# KiCad board MPU_MOD.kicad_pcb (continued)
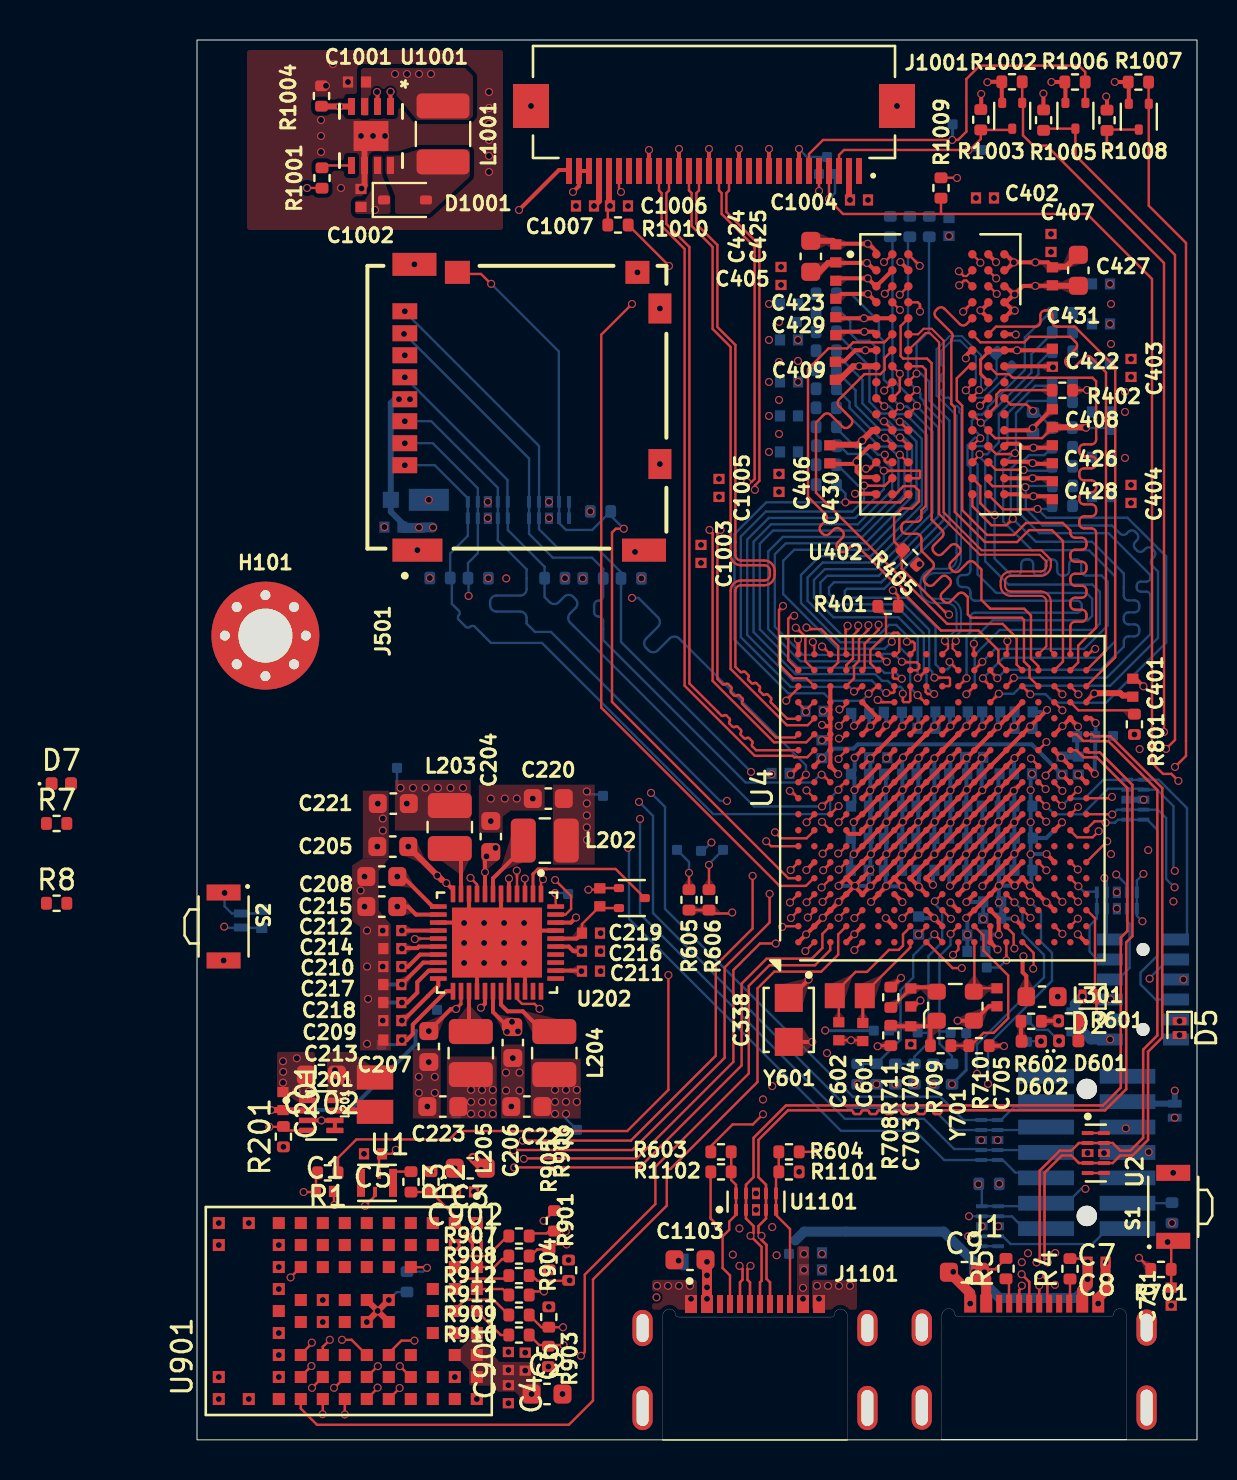
[diagram p0: board, top side]
## Routing (per net, layer and track width the routed paths; a pad name or vN(x,y) marks a point on that pad's centre or on a via; arc(x,y) is an arc through that point) (continued)
  1L.Cu w0.118: 34.77,48.14 U402.R2 34.76,48.09 34.39,47.72 33.56,47.72 33.55,47.73 v1(33.35,47.73) ; U4.E17 33.21,37.69 32.95,37.43 v1(32.85,37.43)
  8L.Cu w0.118: R413.1 32.01,48.77 33.05,47.73 v1(33.35,47.73) 33.35,47.01 32.77,46.43 28.44,46.43 27.19,45.18 27.19,40.15 29.68,37.66 32.62,37.66 v1(32.85,37.43)
/DDR/DDR_A8: length 24.1
  1L.Cu w0.118: v1(42.03,46.56) 42.01,46.54 40.3,46.54 39.57,47.27 U402.T8 ; v1(41.67,37.29) U4.R17
  8L.Cu w0.118: v1(41.67,37.29) 42.43,37.29 42.85,36.87 45.45,36.87 48.46,39.88 48.46,44.18 46.52,46.12 42.47,46.12 v1(42.03,46.56) 42.6,46.56 R414.1
/DDR/DDR_A9: length 28
  1L.Cu w0.118: v1(34.34,48.47) 36.13,48.47 36.15,48.45 36.15,48.14 36.1,48.09 U402.R3 ; v1(34.46,37.36) 34.81,37.36 34.87,37.42 U4.G17
  8L.Cu w0.118: R415.1 32.13,49.72 32.54,49.31 33.5,49.31 v1(34.34,48.47) 34.34,47.54 32.91,46.11 28.59,46.11 27.51,45.03 27.51,40.26 29.79,37.98 33.74,37.98 34.36,37.36 v1(34.46,37.36)
/DDR/DDR_A10: length 29.3
  1L.Cu w0.118: v1(38.84,39.82) 38.84,39.32 U4.M19 ; v1(39.19,50.87) U402.L7
  8L.Cu w0.118: R416.1 42.76,55.34 41.72,54.3 41.72,53.38 39.56,51.22 39.56,51.11 39.32,50.87 v1(39.19,50.87) 39.53,50.53 39.53,49.86 39.36,49.69 38.94,49.69 38.77,49.52 38.77,49.04 39.03,48.78 39.03,43.29 39.96,42.36 44.47,42.36 44.76,42.07 44.76,41.21 44.54,40.99 39.78,40.99 38.84,40.05 v1(38.84,39.82)
/DDR/DDR_A11: length 32.3
  1L.Cu w0.118: v1(39.89,46.25) 39.76,46.25 39.17,46.84 39.17,47.7 38.78,48.09 U402.R7 ; v1(39.27,38.92) 38.87,38.52 U4.M18
  8L.Cu w0.118: R417.1 42.6,52.72 41.91,52.72 40.52,51.33 40.52,49.83 39.9,49.21 39.9,46.26 v1(39.89,46.25) 39.88,46.24 39.88,44.08 40.73,43.23 40.97,43.23 arc(41.14,43.3) 41.21,43.47 41.21,43.79 arc(41.28,43.96) 41.45,44.03 41.57,44.03 arc(41.74,43.96) 41.81,43.79 41.81,43.47 arc(41.88,43.3) 42.05,43.23 42.17,43.23 arc(42.34,43.3) 42.41,43.47 42.41,43.79 arc(42.48,43.96) 42.65,44.03 42.77,44.03 arc(42.94,43.96) 43.01,43.79 43.01,43.47 arc(43.08,43.3) 43.25,43.23 43.37,43.23 arc(43.54,43.3) 43.61,43.47 43.61,43.79 arc(43.68,43.96) 43.85,44.03 43.97,44.03 arc(44.14,43.96) 44.21,43.79 44.21,43.47 arc(44.28,43.3) 44.45,43.23 45.23,43.23 45.54,42.92 45.54,40.74 44.36,39.56 39.91,39.56 v1(39.27,38.92)
/DDR/DDR_A12: length 33.6
  1L.Cu w0.118: U4.L17 38.08,37.69 v1(38.48,38.09) ; U402.N7 38.77,49.72 39.14,50.09 v1(39.17,50.09)
  8L.Cu w0.118: R418.1 42.6,56.34 41.39,55.13 41.39,53.51 39.54,51.66 39.54,51.56 39.26,51.28 39.05,51.28 38.74,50.97 38.74,50.64 39.17,50.21 v1(39.17,50.09) ; 39.14,50.12 38.9,50.12 38.53,49.75 38.53,48.77 38.67,48.63 38.67,43.49 arc(38.6,43.32) 38.43,43.25 38.27,43.25 arc(38.1,43.18) 38.03,43.01 38.03,42.89 arc(38.1,42.72) 38.27,42.65 38.43,42.65 arc(38.6,42.58) 38.67,42.41 38.67,42.21 arc(38.74,42.04) 38.91,41.97 44,41.97 arc(44.17,41.9) 44.24,41.73 44.24,41.61 arc(44.17,41.44) 44,41.37 38.91,41.37 arc(38.74,41.3) 38.67,41.13 38.67,40.4 38.48,40.21 v1(38.48,38.09)
/DDR/DDR_A13: length 24.6
  1L.Cu w0.118: v1(32.42,46.89) 35.17,46.89 35.57,47.29 U402.T3 ; v1(33.58,37.32) 33.61,37.32 33.98,37.69 U4.F17
  8L.Cu w0.118: v1(33.58,37.32) 33.58,37.3 33.25,36.96 31.72,36.96 31.34,37.34 29.56,37.34 26.87,40.03 26.87,45.3 28.46,46.89 v1(32.42,46.89) 32.42,47.33 31.98,47.77 R419.1
/DDR/DDR_A14: length 28.3
  1L.Cu w0.118: v1(40.02,38.09) 39.67,38.44 U4.N18 ; v1(40.79,46.07) 40.47,45.74 39.72,45.74 38.77,46.7 U402.T7
  8L.Cu w0.118: v1(40.02,38.09) 40.44,38.52 45.19,38.52 46.34,39.67 46.34,39.95 arc(46.41,40.12) 46.58,40.19 46.87,40.19 arc(47.04,40.26) 47.11,40.43 47.11,40.55 arc(47.04,40.72) 46.87,40.79 46.58,40.79 arc(46.41,40.86) 46.34,41.03 46.34,41.15 arc(46.41,41.32) 46.58,41.39 46.87,41.39 arc(47.04,41.46) 47.11,41.63 47.11,41.75 arc(47.04,41.92) 46.87,41.99 46.58,41.99 arc(46.41,42.06) 46.34,42.23 46.34,43.33 44.75,44.92 41.94,44.92 v1(40.79,46.07) 40.69,46.17 40.69,48.57 41.08,48.96 41.31,48.96 41.6,49.25 42.36,49.25 R420.1
/DDR/DDR_BA0: length 28.3
  1L.Cu w0.118: v1(34.35,50.94) 34.77,50.52 U402.M2 ; v1(34.74,39.92) 34.74,40.29 34.82,40.37 35.04,40.37 35.11,40.3 35.11,39.43 34.97,39.29 U4.G19
  8L.Cu w0.118: 31.97,54.31 33.27,53.01 33.27,51.84 34.17,50.94 v1(34.35,50.94) 34.58,50.94 35,50.52 35.38,50.52 35.97,49.93 35.97,46.94 33.55,44.52 29.86,44.52 29.31,43.97 29.31,42.3 32.04,39.57 34.39,39.57 v1(34.74,39.92)
/DDR/DDR_BA1: length 27.2
  1L.Cu w0.118: v1(40.9,49.35) 40.85,49.3 39.96,49.3 U402.N8 ; U4.N17 39.29,38.07 v1(39.29,38.09)
  8L.Cu w0.118: v1(39.29,38.09) 40.32,39.12 45.09,39.12 45.9,39.93 45.9,43.19 44.59,44.49 41.75,44.49 40.31,45.93 40.31,48.8 40.86,49.35 v1(40.9,49.35) 40.95,49.4 40.95,51.36 41.55,51.96 42.72,51.96 R422.1
/DDR/DDR_BA2: length 30.2
  1L.Cu w0.118: v1(36.03,37.25) 36.39,36.89 U4.J16 ; U402.M3 v1(35.14,50.92)
  8L.Cu w0.118: R423.1 31.97,55.35 33.62,53.7 33.62,51.92 34.21,51.33 34.58,51.33 34.99,50.92 v1(35.14,50.92) 35.39,50.92 36.24,50.07 36.24,46.75 33.69,44.2 31.14,44.2 30.2,43.26 30.2,41.85 32.16,39.89 34.14,39.89 34.58,40.33 34.94,40.33 35.12,40.15 35.12,39.66 35.66,39.12 35.66,37.62 v1(36.03,37.25)
/DDR/DDR_CASN: length 32.8
  1L.Cu w0.118: U4.K17 37.27,37.7 37.6,37.7 37.65,37.75 37.65,38.07 37.6,38.12 v1(36.87,38.12) ; v1(35.99,52.51) 35.98,52.51 U402.K3
  8L.Cu w0.118: v1(36.87,38.12) 36.76,38.23 36.76,38.42 36.64,38.54 36.61,38.54 36.61,40.52 35.34,41.79 32.12,41.79 31.6,42.31 31.6,42.64 31.85,42.89 34.22,42.89 37.34,46.01 37.34,50.81 36.35,51.8 36.35,51.95 36.34,51.95 36.17,52.12 36.17,52.33 v1(35.99,52.51) 35.55,52.95 35.55,60.08 R427.1
/DDR/DDR_CKE: length 26.7
  1L.Cu w0.118: v1(41.8,51.46) 41.48,51.78 40.68,51.78 U402.K9 ; v1(40.52,39.95) 40.52,39.34 U4.P19
  3L.Cu w0.118: v1(40.52,39.95) 40.73,40.16 arc(40.8,40.33) 40.73,40.5 40.41,40.82 arc(40.34,40.99) 40.41,41.16 40.49,41.24 arc(40.66,41.31) 40.83,41.24 41.15,40.92 arc(41.32,40.85) 41.49,40.92 41.58,41.01 arc(41.65,41.18) 41.58,41.35 41.26,41.67 arc(41.19,41.84) 41.26,42.01 41.34,42.09 arc(41.51,42.16) 41.68,42.09 42,41.77 arc(42.17,41.7) 42.34,41.77 42.82,42.25 42.82,42.54 arc(42.75,42.71) 42.58,42.78 41.11,42.78 arc(40.94,42.85) 40.87,43.02 40.87,43.14 arc(40.94,43.31) 41.11,43.38 42.58,43.38 arc(42.75,43.45) 42.82,43.62 42.82,43.74 arc(42.75,43.91) 42.58,43.98 41.11,43.98 arc(40.94,44.05) 40.87,44.22 40.87,44.34 arc(40.94,44.51) 41.11,44.58 42.58,44.58 arc(42.75,44.65) 42.82,44.82 42.82,49.8 42.36,50.25 42.36,51.37 42.27,51.46 v1(41.8,51.46)
  8L.Cu w0.118: R404.2 42,51.38 R426.1
/DDR/DDR_CLK_N: length 26.3
  1L.Cu w0.102: U4.K19 37.56,39.58 37.56,39.8 v1(37.39,39.96) ; v1(39.11,52.5) 38.77,52.16 U402.K7
  8L.Cu w0.102: v1(37.39,39.96) 37.98,40.55 37.98,41.36 arc(37.84,41.7) 37.49,41.85 36.89,41.85 arc(36.38,42.06) 36.18,42.56 36.18,42.86 arc(36.38,43.36) 36.89,43.57 37.49,43.57 arc(37.84,43.71) 37.98,44.06 37.98,51.22 36.98,52.22 36.98,54.55 37.63,55.2 38.25,55.2 39.2,54.25 39.2,52.59 v1(39.11,52.5) 39.37,52.5 39.98,53.11 R403.2
/DDR/DDR_CLK_P: length 27.1
  1L.Cu w0.102: U4.L19 37.78,39.58 37.78,39.8 v1(37.94,39.96) ; U402.J7 38.77,52.82 v1(38.44,52.49)
  8L.Cu w0.102: 38.82,52.12 38.74,52.2 ; 38.82,52.12 38.81,52.12 v1(38.44,52.49) 38.94,52.99 38.94,54.19 38.15,54.98 37.73,54.98 37.2,54.45 37.2,53.8 arc(37.22,53.75) 37.28,53.72 arc(37.33,53.7) 37.35,53.65 37.35,53.4 arc(37.33,53.35) 37.28,53.32 arc(37.22,53.3) 37.2,53.25 37.2,53 arc(37.22,52.95) 37.28,52.92 arc(37.33,52.9) 37.35,52.85 37.35,52.6 arc(37.33,52.55) 37.28,52.52 arc(37.22,52.5) 37.2,52.45 37.2,52.32 37.39,52.12 arc(37.44,52.1) 37.49,52.12 arc(37.54,52.14) 37.59,52.12 37.7,52.01 arc(37.72,51.96) 37.7,51.91 arc(37.68,51.86) 37.7,51.81 37.82,51.7 arc(37.87,51.68) 37.92,51.7 arc(37.96,51.72) 38.01,51.7 38.13,51.59 arc(38.15,51.54) 38.13,51.49 arc(38.11,51.44) 38.13,51.39 38.2,51.32 38.2,44.06 arc(37.99,43.56) 37.49,43.35 36.89,43.35 arc(36.54,43.2) 36.4,42.86 36.4,42.56 arc(36.54,42.21) 36.89,42.07 37.49,42.07 arc(37.99,41.86) 38.2,41.36 38.2,40.45 37.94,40.2 v1(37.94,39.96) ; 38.82,52.12 39.38,52.12 40.7,53.44 R403.1
/DDR/DDR_CSN: length 31
  1L.Cu w0.118: U4.J18 36.08,38.1 v1(36.04,38.1) ; U402.L2 v1(35.16,51.68)
  8L.Cu w0.118: R425.1 32.7,57.32 34.09,55.93 34.09,55.19 34.34,54.95 34.34,53.03 34.79,52.58 34.79,52.05 v1(35.16,51.68) 35.51,51.68 36.78,50.41 36.78,46.37 33.96,43.55 31.39,43.55 30.85,43.01 30.85,42.11 31.82,41.14 35.07,41.14 36.04,40.17 v1(36.04,38.1)
/DDR/DDR_DQ0: length 23.9
  1L.Cu w0.118: U4.A17 30.07,37.61 29.46,37 v1(29.46,36.97) ; v1(34.39,57.32) 34.76,57.69
  3L.Cu w0.118: v1(34.39,57.32) 34.39,53.25 33.85,52.71 33.85,47.28 30.3,43.73 30.3,42.19 29.46,41.35 v1(29.46,36.97)
/DDR/DDR_DQ1: length 23.9
  1L.Cu w0.118: v1(29.86,41.22) 29.71,41.22 29.56,41.07 29.56,39 U4.A18 ; U402.C3 35.56,57.69 v1(35.14,57.27)
  3L.Cu w0.118: v1(35.14,57.27) 35.14,57.27 34.77,56.9 34.77,46.08 34.51,45.82 arc(34.34,45.75) 34.17,45.82 34.04,45.95 arc(33.87,46.02) 33.7,45.95 33.61,45.87 arc(33.54,45.7) 33.61,45.53 33.75,45.39 arc(33.82,45.23) 33.75,45.06 33.66,44.97 arc(33.49,44.9) 33.32,44.97 33.19,45.1 arc(33.02,45.17) 32.85,45.1 32.76,45.02 arc(32.69,44.85) 32.76,44.68 32.9,44.55 arc(32.97,44.38) 32.9,44.21 29.91,41.22 v1(29.86,41.22)
/DDR/DDR_DQ2: length 25
  1L.Cu w0.118: v1(39.17,58.87) 39.17,58.89 U402.A7 ; v1(33.06,40.73) 33.06,40.49 32.8,40.23 32.8,39.09 32.47,38.75 U4.D18
  3L.Cu w0.118: v1(33.06,40.73) 33.06,40.98 33.57,41.49 35.12,41.49 38.74,45.11 38.74,47.94 39.64,48.84 39.64,56.84 39.17,57.31 v1(39.17,58.87)
/DDR/DDR_DQ3: length 25.1
  1L.Cu w0.118: v1(29.3,41.71) 29.1,41.51 29.1,38.79 29.8,38.09 30.47,38.09 U4.B17 ; U402.A2 34.38,58.9 v1(34.35,58.9)
  3L.Cu w0.118: v1(34.35,58.9) 33.98,58.54 33.98,53.57 32.51,52.1 32.51,47.86 29.3,44.65 v1(29.3,41.71)
/DDR/DDR_DQ4: length 25.3
  1L.Cu w0.118: U4.E18 33.38,38.61 33.38,39.82 34.08,40.52 v1(34.08,40.77) ; U402.B8 39.57,58.48 v1(39.96,58.09)
  3L.Cu w0.118: v1(34.08,40.77) 36.25,40.77 41.28,45.8 41.28,46.58 40.49,47.37 40.49,57.56 v1(39.96,58.09)
/DDR/DDR_DQ5: length 24.4
  1L.Cu w0.118: v1(33.57,40.75) 33.57,40.52 33.1,40.05 33.1,38.96 32.84,38.7 32.84,38.69 32.85,38.68 32.85,38.09 32.47,37.71 U4.D17 ; v1(39.99,57.31) 39.61,57.69 U402.C8
  3L.Cu w0.118: v1(39.99,57.31) 40.01,57.29 40.01,48.42 39.38,47.79 39.38,44.82 35.7,41.14 33.83,41.14 33.57,40.88 v1(33.57,40.75)
/DDR/DDR_DQ6: length 24.7
  1L.Cu w0.118: v1(32.53,40.72) 32.53,40.61 32.43,40.51 32.43,39.33 U4.D19 ; U402.D7 38.31,56.43 v1(38.31,56.42)
  3L.Cu w0.118: v1(38.31,56.42) 38.31,54.8 37.86,54.35 37.86,52.04 38.37,51.53 38.37,50.62 arc(38.3,50.45) 38.13,50.38 38,50.38 arc(37.83,50.31) 37.76,50.14 37.76,50.02 arc(37.83,49.85) 38,49.78 38.13,49.78 arc(38.3,49.71) 38.37,49.54 38.37,49.42 arc(38.3,49.25) 38.13,49.18 38,49.18 arc(37.83,49.11) 37.76,48.94 37.76,48.82 arc(37.83,48.65) 38,48.58 38.13,48.58 arc(38.3,48.51) 38.37,48.34 38.37,48.22 arc(38.3,48.05) 38.13,47.98 38,47.98 arc(37.83,47.91) 37.76,47.74 37.76,47.62 arc(37.83,47.45) 38,47.38 38.13,47.38 arc(38.3,47.31) 38.37,47.14 38.37,47.02 arc(38.3,46.85) 38.13,46.78 38,46.78 arc(37.83,46.71) 37.76,46.54 37.76,46.42 arc(37.83,46.25) 38,46.18 38.13,46.18 arc(38.3,46.11) 38.37,45.94 38.37,45.41 34.79,41.83 33.35,41.83 32.53,41.01 v1(32.53,40.72)
/DDR/DDR_DQ7: length 24.6
  1L.Cu w0.118: v1(36.14,58.71) 36.14,58.72 35.57,59.29 U402.A3 ; v1(29.94,40.62) 29.97,40.62 30.42,40.17 30.42,38.94 U4.B18
  3L.Cu w0.118: v1(29.94,40.62) 35.54,46.22 35.54,56.84 arc(35.61,57.01) 35.78,57.08 35.8,57.08 arc(35.97,57.15) 36.04,57.32 36.04,57.44 arc(35.97,57.61) 35.8,57.68 35.78,57.68 arc(35.61,57.75) 35.54,57.92 35.54,58.12 v1(36.14,58.71)
/DDR/DDR_DQ8: length 27.7
  1L.Cu w0.118: U4.P18 40.07,38.89 40.07,39.49 39.08,40.48 37.2,40.48 35.45,42.22 35.45,42.41 34.86,43.01 34.71,43.01 33.03,44.69 arc(32.86,44.76) 32.69,44.69 32.47,44.47 arc(32.3,44.4) 32.13,44.47 32.05,44.55 arc(31.98,44.72) 32.05,44.89 32.27,45.11 arc(32.34,45.28) 32.27,45.45 32.18,45.54 arc(32.01,45.61) 31.84,45.54 31.62,45.32 arc(31.45,45.25) 31.28,45.32 31.2,45.4 arc(31.13,45.57) 31.2,45.74 31.42,45.96 arc(31.49,46.13) 31.42,46.3 30.55,47.17 30.55,53.56 31.58,54.59 32.51,54.59 32.81,54.89 34.36,54.89 U402.F2 34.77,55.31
/DDR/DDR_DQ9: length 25.5
  1L.Cu w0.118: U402.H3 36.27,53.69 36.44,53.52 36.44,46.71 36.22,46.49 36.22,46.16 arc(36.15,45.99) 35.98,45.92 35.46,45.92 arc(35.29,45.85) 35.22,45.68 35.22,45.56 arc(35.29,45.39) 35.46,45.32 35.98,45.32 arc(36.15,45.25) 36.22,45.08 36.22,44.47 36.77,43.92 arc(36.84,43.75) 36.77,43.58 36.41,43.21 arc(36.34,43.04) 36.41,42.87 36.49,42.78 arc(36.66,42.71) 36.83,42.78 37.2,43.15 arc(37.37,43.22) 37.54,43.15 37.62,43.07 arc(37.69,42.9) 37.62,42.73 37.26,42.36 arc(37.19,42.19) 37.26,42.02 37.34,41.94 arc(37.51,41.87) 37.68,41.94 38.05,42.3 arc(38.22,42.37) 38.39,42.3 38.54,42.15 38.54,41.28 38.7,41.12 41.24,41.12 41.35,41.01 41.35,38.93 41.63,38.65 41.63,38.13 U4.T17
/DDR/DDR_DQ10: length 26.2
  1L.Cu w0.118: U402.G2 34.38,54.11 34.38,53.51 34.17,53.3 33.37,53.3 32.1,52.03 arc(32.03,51.86) 32.1,51.69 32.7,51.1 arc(32.77,50.93) 32.7,50.76 32.61,50.67 arc(32.44,50.6) 32.27,50.67 31.68,51.27 arc(31.51,51.34) 31.34,51.27 30.95,50.88 30.95,47.37 37.51,40.81 40.28,40.81 40.98,40.11 40.98,38.78 U4.R18
/DDR/DDR_DQ11: length 25.1
  1L.Cu w0.118: U4.V19 43.67,40.68 arc(43.74,40.85) 43.91,40.92 44.23,40.92 arc(44.4,40.99) 44.47,41.16 44.47,41.28 arc(44.4,41.45) 44.23,41.52 43.91,41.52 arc(43.74,41.59) 43.67,41.76 43.67,41.88 arc(43.74,42.05) 43.91,42.12 44.23,42.12 arc(44.4,42.19) 44.47,42.36 44.47,42.48 arc(44.4,42.65) 44.23,42.72 43.91,42.72 arc(43.74,42.79) 43.67,42.96 43.67,43.08 arc(43.74,43.25) 43.91,43.32 44.23,43.32 arc(44.4,43.39) 44.47,43.56 44.47,43.68 arc(44.4,43.85) 44.23,43.92 43.91,43.92 arc(43.74,43.99) 43.67,44.16 43.67,44.28 arc(43.74,44.45) 43.91,44.52 44.23,44.52 arc(44.4,44.59) 44.47,44.76 44.47,44.88 arc(44.4,45.05) 44.23,45.12 43.91,45.12 arc(43.74,45.19) 43.67,45.36 43.67,45.48 43.29,45.86 41.45,45.86 40.85,45.26 39.5,45.26 38.26,46.5 38.26,51.72 37.99,51.99 37.99,53.09 38.59,53.69 U402.H7
/DDR/DDR_DQ12: length 24.9
  1L.Cu w0.118: U4.W18 45.45,39.48 45.45,53.39 44.7,54.14 arc(44.53,54.21) 44.36,54.14 43.9,53.68 arc(43.73,53.61) 43.56,53.68 43.48,53.76 arc(43.41,53.93) 43.48,54.1 43.94,54.56 arc(44.01,54.73) 43.94,54.9 43.67,55.17 41.63,55.17 41.36,54.89 39.17,54.89 U402.F7
/DDR/DDR_DQ13: length 25.7
  1L.Cu w0.118: U4.T18 42.07,38.7 41.7,39.07 41.7,41.23 41.36,41.57 39.66,41.57 39.22,42.01 39.22,43.53 38.87,43.88 arc(38.7,43.95) 38.53,43.88 38.12,43.47 arc(37.95,43.4) 37.78,43.47 37.69,43.56 arc(37.62,43.73) 37.69,43.9 38.11,44.31 arc(38.18,44.48) 38.11,44.64 38.02,44.73 arc(37.85,44.8) 37.68,44.73 37.27,44.32 arc(37.1,44.25) 36.93,44.32 36.85,44.4 arc(36.78,44.57) 36.85,44.74 37.26,45.15 arc(37.33,45.32) 37.26,45.49 36.73,46.02 36.73,53.85 36.5,54.08 35.31,54.08 35.18,54.21 35.18,55.71 U402.E3
/DDR/DDR_DQ14: length 25.8
  1L.Cu w0.118: U402.H8 39.6,53.69 39.99,53.3 40.6,53.3 40.78,53.12 44.78,53.12 44.96,52.94 44.96,50.03 arc(44.89,49.86) 44.72,49.79 44.35,49.79 arc(44.18,49.72) 44.11,49.55 44.11,49.43 arc(44.18,49.26) 44.35,49.19 44.72,49.19 arc(44.89,49.12) 44.96,48.95 44.96,48.83 arc(44.89,48.66) 44.72,48.59 44.35,48.59 arc(44.18,48.52) 44.11,48.35 44.11,48.23 arc(44.18,48.06) 44.35,47.99 44.72,47.99 arc(44.89,47.92) 44.96,47.75 44.96,47.63 arc(44.89,47.46) 44.72,47.39 44.35,47.39 arc(44.18,47.32) 44.11,47.15 44.11,47.03 arc(44.18,46.86) 44.35,46.79 44.72,46.79 arc(44.89,46.72) 44.96,46.55 44.96,46.43 arc(44.89,46.26) 44.72,46.19 44.35,46.19 arc(44.18,46.12) 44.11,45.95 44.11,45.83 arc(44.18,45.66) 44.35,45.59 44.72,45.59 arc(44.89,45.52) 44.96,45.35 44.96,40.62 44.06,39.72 44.06,38.88 U4.V18
/DDR/DDR_DQ15: length 25.1
  1L.Cu w0.118: U402.F8 39.95,55.68 41.93,55.68 arc(42.1,55.75) 42.17,55.92 42.17,56.24 arc(42.24,56.41) 42.41,56.48 42.53,56.48 arc(42.7,56.41) 42.77,56.24 42.77,55.92 arc(42.84,55.75) 43.01,55.68 43.89,55.68 45.91,53.65 45.91,39.14 U4.W17
/DDR/DDR_DQM0: length 25.2
  1L.Cu w0.118: U4.C18 32.06,38.89 32.06,39.7 31.21,40.55 30.64,40.55 30.53,40.66 30.5,40.66 v1(30.47,40.63) ; v1(36.15,56.43) 36.15,56.79 36.04,56.89 U402.D3
  3L.Cu w0.118: v1(36.15,56.43) 36.15,56.38 36.38,56.15 arc(36.31,55.97) 36.13,55.9 arc(35.95,55.83) 35.88,55.65 35.88,55.45 arc(35.95,55.27) 36.13,55.2 arc(36.31,55.13) 36.38,54.95 36.38,54.75 arc(36.31,54.57) 36.13,54.5 arc(35.95,54.43) 35.88,54.25 35.88,54.05 arc(35.95,53.87) 36.13,53.8 arc(36.31,53.73) 36.38,53.55 36.38,50.93 arc(36.3,50.73) 36.1,50.65 arc(35.91,50.57) 35.82,50.37 35.82,50.23 arc(35.91,50.03) 36.1,49.95 arc(36.3,49.87) 36.38,49.67 36.38,49.53 arc(36.3,49.33) 36.1,49.25 arc(35.91,49.17) 35.82,48.97 35.82,48.83 arc(35.91,48.63) 36.1,48.55 arc(36.3,48.47) 36.38,48.27 36.38,46.37 30.64,40.63 v1(30.47,40.63)
/DDR/DDR_DQM1: length 26.1
  1L.Cu w0.118: U402.E7 38.48,55.8 arc(38.31,55.73) 38.14,55.8 37.37,56.57 arc(37.2,56.64) 37.03,56.57 36.95,56.49 arc(36.88,56.32) 36.95,56.15 37.72,55.38 arc(37.79,55.21) 37.72,55.04 37.72,51.8 37.73,51.8 37.89,51.64 37.89,46.41 39.39,44.91 41.01,44.91 41.6,45.5 42.75,45.5 43.3,44.95 43.3,38.92 U4.U18
/DDR/DDR_DQS0_N: length 24
  1L.Cu w0.102: U4.B19 30.87,39.83 v1(30.79,39.91) ; v1(38.09,58.45) 38.34,58.2 38.48,58.2 U402.B7
  3L.Cu w0.102: v1(38.09,58.45) 37.95,58.3 37.27,58.3 36.94,57.97 36.94,45.58 33.82,42.46 33.02,42.46 30.84,40.28 30.84,39.96 v1(30.79,39.91)
/DDR/DDR_DQS0_P: length 24
  1L.Cu w0.102: U402.C7 38.48,57.98 38.35,57.98 v1(38.11,57.74) ; U4.C19 31.38,39.58 31.35,39.58 v1(31.25,39.68)
  3L.Cu w0.102: v1(38.11,57.74) 37.76,58.09 37.36,58.09 37.16,57.89 37.16,57.4 arc(37.18,57.35) 37.23,57.33 arc(37.29,57.3) 37.31,57.25 37.31,57.1 arc(37.29,57.05) 37.23,57.03 arc(37.18,57) 37.16,56.95 37.16,45.48 33.92,42.24 33.1,42.24 31.2,40.34 31.2,39.74 31.25,39.69 v1(31.25,39.68)
/DDR/DDR_DQS1_N: length 25.7
  1L.Cu w0.102: U4.T19 42.47,39.7 42.47,41.92 arc(42.39,42.13) 42.18,42.21 40.69,42.21 arc(40.33,42.36) 40.18,42.72 40.18,42.92 arc(40.33,43.28) 40.69,43.43 42.18,43.43 arc(42.39,43.52) 42.47,43.72 42.47,43.93 42.13,44.27 39.14,44.27 37.11,46.3 37.11,54.88 36.64,55.35 36.42,55.35 U402.G3
/DDR/DDR_DQS1_P: length 25.7
  1L.Cu w0.102: U402.F3 36.05,55.29 36.33,55.57 36.74,55.57 37.33,54.98 37.33,46.4 39.24,44.49 42.23,44.49 42.69,44.03 42.69,43.72 arc(42.54,43.36) 42.18,43.21 40.69,43.21 arc(40.49,43.13) 40.4,42.92 40.4,42.72 arc(40.49,42.52) 40.69,42.43 42.18,42.43 arc(42.54,42.28) 42.69,41.92 42.69,39.47 U4.U19
/DDR/DDR_ODT: length 29.2
  1L.Cu w0.118: U402.K1 v1(34.37,51.69) ; U4.H19 35.67,39.31 35.88,39.52 35.88,39.84 35.8,39.92 v1(35.49,39.92)
  8L.Cu w0.118: v1(35.49,39.92) 35.49,40.23 34.96,40.76 34.6,40.76 34.06,40.22 32.27,40.22 30.53,41.96 30.53,43.13 31.28,43.88 33.83,43.88 36.5,46.55 36.5,50.24 35.44,51.3 35,51.3 34.61,51.69 v1(34.37,51.69) 33.96,52.1 33.96,54.64 33.62,54.97 33.03,54.97 32.67,55.34 32.67,55.93 32.23,56.37 R424.1
/DDR/DDR_RASN: length 31.7
  1L.Cu w0.118: v1(37.63,38.91) 38.05,38.49 U4.L18 ; U402.J3 35.57,52.92 v1(35.98,53.33)
  8L.Cu w0.118: v1(37.63,38.91) 37.63,38.65 37.52,38.54 37.18,38.54 36.93,38.79 36.93,40.67 35.48,42.12 32.52,42.12 32.39,42.25 32.39,42.46 32.5,42.57 34.36,42.57 37.62,45.83 37.62,50.98 36.61,51.99 36.61,52.92 36.2,53.33 v1(35.98,53.33) 35.98,54.84 36.6,55.46 36.6,60.15 R428.1
/DDR/DDR_RESETN: length 19.2
  1L.Cu w0.118: U4.G16 34.07,36.89 ; U402.T2 34.91,47.29 35.32,47.7 35.87,47.7 36.1,47.47 36.1,46.94 35.75,46.58 35.27,46.58 34.86,46.17 34.86,44.93 R405.2 35.23,44.45 35.23,43.57 37.53,41.28 v1(37.6,41.28)
  3L.Cu w0.118: v1(37.6,41.28) 37.54,41.28 37.52,41.26 37.52,41.18 36.89,40.55 36.89,38.91 37.43,38.37 37.43,37.07 37.09,36.73 34.23,36.73 34.04,36.92 34.04,37 v1(34.03,37.01) 34.03,37.06 34.02,37.07 34.02,37.09
/DDR/DDR_WEN: length 33.5
  1L.Cu w0.118: v1(35.99,51.72) 35.99,51.7 35.58,51.29 U402.L3 ; U4.J17 36.43,37.66 36.43,37.41 36.54,37.3 v1(36.86,37.3)
  8L.Cu w0.118: v1(36.86,37.3) 36.48,37.68 36.48,38.25 36.34,38.39 36.34,40.33 35.21,41.46 31.95,41.46 31.17,42.24 31.17,42.88 31.51,43.22 34.09,43.22 37.06,46.19 37.06,50.63 35.99,51.7 v1(35.99,51.72) 35.99,51.83 34.77,53.05 34.77,60.06 R429.1
/LCD/LED_A: length 10.5
  1L.Cu w0.2: v1(16.1,61.51) 18.1,63.51 18.55,63.51 J1001.30
  3L.Cu w0.2: v1(16.1,61.51) v1(8.9,61.51)
/LCD/LED_K: length 13.7
  1L.Cu w0.2: v1(18.8,62.41) 19.1,62.71 J1001.29 J1001.28 ; 9.79,67.42 v1(9.67,67.42) U1001.1
  3L.Cu w0.2: v1(18.8,62.41) 14.69,62.41 v1(9.67,67.42)
/LCD/RESET: length 32
  1L.Cu w0.118: v1(45.47,64.69) 45.5,64.72 R1008.1 45.54,65.53 Q3.3 ; v1(21.2,62.41) 21.1,62.51 J1001.25
  3L.Cu w0.118: v1(45.47,64.69) 45.02,64.69 43.35,66.36 38,66.36 37.5,65.86 22.65,65.86 21.2,64.41 v1(21.2,62.41)
  8L.Cu w0.118: TP1003.1 45.45,64.71 v1(45.47,64.69)
/LCD/TP_INT: length 20.5
  1L.Cu w0.118: J1001.6 30.6,64.31 31.3,65.01 v1(37.76,65.01) 38.05,65.01 38.47,65.43 38.47,68.06 39.14,68.73 44.09,68.73 44.41,68.41 R1006.2 44.41,66.88 Q2.1
  8L.Cu w0.15: TP1002.1 37.78,65.03 v1(37.76,65.01)
/LCD/TP_RES: length 11.1
  1L.Cu w0.118: J1001.3 32.1,64.26 32.35,64.51 38.64,64.51 39.19,65.06 R1003.1 40.7,65.51 Q1.3
  8L.Cu w0.15: TP1001.1 38.58,64.51 v1(38.57,64.5)
/RCC_BOOT_RST_DEBUG/OSC_IN: length 3.7
  1L.Cu w0.118: C705.2 39.01,22.59 Y701.3 38.87,22.45 U4.M1
/RCC_BOOT_RST_DEBUG/OSC_OUT: length 8.7
  1L.Cu w0.118: R709.1 R710.1 38.69,19.72 39.33,20.36 39.83,20.36 40.56,21.09 40.56,23.23 39.32,24.47 39.32,25.24 U4.M2
/RCC_BOOT_RST_DEBUG/T_JCLK/T_SWCLK: length 44.3
  1L.Cu w0.118: v1(32.12,36.53) 32.2,36.53 32.47,36.8 U4.D16
  3L.Cu w0.118: v1(32.12,36.53) 32.11,36.53 31.65,36.99 30.28,36.99 29.1,35.81 25.3,35.81 22.1,32.61 v1(22.1,31.91)
  8L.Cu w0.118: v1(22.1,31.91) 22.8,31.21 22.8,26.35 32.54,16.61 36.75,16.61 37.86,15.5 U702.9 U702.2 42.31,15.5 J701.06 41.44,15.65
/RCC_BOOT_RST_DEBUG/T_JTDI/NC: length 43.8
  1L.Cu w0.118: U4.D13 32.47,34.48 32.08,34.09 v1(32.08,34.05)
  3L.Cu w0.118: 32.08,33.98 v1(32.08,34.05) 32.08,34.04 31.77,33.73 29.28,33.73 28.9,34.11 26.05,34.11 v1(21.55,29.61)
  8L.Cu w0.118: 41.18,13.11 J701.10 42.34,13.22 ; v1(21.55,29.61) 21.6,29.56 21.6,26.06 32.2,15.46 35.9,15.46 37.36,14 U702.6 U702.5 40.29,14 40.92,13.37 41.74,13.37
/RCC_BOOT_RST_DEBUG/T_JTDO/T_SWO: length 43.3
  1L.Cu w0.118: v1(32.1,35.07) 32.26,35.07 32.47,35.28 U4.D14
  3L.Cu w0.118: v1(22.15,31.06) 22.15,31.09 25.6,34.54 31.53,34.54 32.06,35.07 v1(32.1,35.07) 32.08,35.07
  8L.Cu w0.118: 41.38,14.38 J701.08 42.33,14.5 U702.4 U702.7 39.16,14.55 37.86,14.55 36.35,16.06 32.4,16.06 22.15,26.31 v1(22.15,31.06) 22.2,31.11
/RCC_BOOT_RST_DEBUG/T_JTMS/T_SWDIO: length 41.2
  1L.Cu w0.118: v1(32.09,35.71) 32.47,36.09 U4.D15
  3L.Cu w0.118: 32.03,35.71 v1(32.09,35.71) 32.06,35.71 31.7,35.36 25.8,35.36 22.8,32.36 v1(22.7,32.36)
  8L.Cu w0.118: J701.04 41.44,16.92 ; v1(22.7,32.36) 23.4,31.66 23.4,26.56 32.79,17.17 37.16,17.17 38.33,16 U702.10 U702.1 40.2,16 40.84,16.64 41.48,16.64
/WIFI/SLP_CLK: length 3
  1L.Cu w0.118: R3.2 R2.2 12.89,11.21 U901.B1
BT_DEV_WAKE: length 46.4
  1L.Cu w0.118: U901.J9 5.19,1.57 6,0.76 18.59,0.76 19.8,1.97 19.8,8.03 23.49,11.72 23.49,13.55 23.67,13.55 28.03,17.9 28.03,22.58 28.86,23.42 31.21,23.42 32.06,24.27 32.06,25.29 U4.D2
BT_RESET: length 42.5
  1L.Cu w0.118: U901.J7 5.19,4.28 5.74,4.83 v1(5.74,4.87) ; v1(15.82,14.49) 15.83,14.5 21.77,14.5 26.38,19.11 26.38,23.63 28.63,25.88 v1(28.63,27.31) ; v1(31.23,27.63) 31.67,28.07 U4.C5
  3L.Cu w0.118: v1(5.74,4.87) 5.74,8.34 12.63,15.23 15.08,15.23 v1(15.82,14.49) ; v1(28.63,27.31) 29.17,27.31 29.49,27.63 v1(31.23,27.63)
BT_WAKE_HOST: length 37.9
  1L.Cu w0.118: v1(19.2,4.21) 19.39,4.4 19.39,8.27 22.92,11.8 22.92,13.66 27.59,18.33 27.59,22.71 28.62,23.74 30.9,23.74 31.66,24.5 31.66,24.89 U4.C1 ; U901.E7 9.59,4.34 10.22,4.97 v1(10.87,4.97)
  3L.Cu w0.118: v1(10.87,4.97) 11.41,5.51 16.9,5.51 18.2,4.21 v1(19.2,4.21)
DSI_CK_N: length 33.1
  1L.Cu w0.118: U4.A14 29.9,35.13 28.95,35.13 27.27,36.81 arc(27.24,36.88) 27.27,36.95 arc(27.3,37.02) 27.27,37.09 27.13,37.23 arc(27.06,37.26) 26.99,37.23 arc(26.92,37.2) 26.84,37.23 26.7,37.38 arc(26.67,37.45) 26.7,37.52 arc(26.73,37.59) 26.7,37.66 26.56,37.8 arc(26.49,37.83) 26.42,37.8 arc(26.35,37.77) 26.28,37.8 26.02,38.06 26.02,45.35 v1(26.17,45.51) ; J1001.14 26.6,62.48 26.47,62.35 26.47,61.41 28.12,59.76 28.12,47.96 27.89,47.74 v1(27.89,47.52)
  3L.Cu w0.118: v1(27.89,47.52) 27.67,47.52 26.02,45.86 26.02,45.67 v1(26.17,45.51)
DSI_CK_P: length 33.9
  1L.Cu w0.118: v1(27.51,47.9) 27.73,47.9 27.88,48.06 27.88,59.66 26.23,61.31 26.23,62.35 26.1,62.48 J1001.15 ; U4.B14 30.46,34.89 28.85,34.89 25.78,37.96 25.78,45.35 v1(25.62,45.51)
  3L.Cu w0.118: v1(27.51,47.9) 27.51,47.68 25.78,45.96 25.78,45.67 v1(25.62,45.51)
DSI_D0_N: length 33.6
  1L.Cu w0.118: J1001.20 23.6,62.48 23.47,62.35 23.47,60.81 24.62,59.66 24.62,37.83 26.22,36.23 arc(26.28,36.2) 26.35,36.23 arc(26.41,36.26) 26.47,36.23 26.63,36.07 arc(26.65,36.01) 26.63,35.95 arc(26.6,35.88) 26.63,35.82 26.79,35.66 arc(26.85,35.64) 26.91,35.66 arc(26.97,35.69) 27.04,35.66 27.19,35.51 arc(27.22,35.44) 27.19,35.38 arc(27.17,35.32) 27.19,35.26 27.35,35.1 arc(27.41,35.07) 27.48,35.1 arc(27.54,35.12) 27.6,35.1 27.76,34.94 arc(27.79,34.88) 27.76,34.82 arc(27.73,34.75) 27.76,34.69 27.96,34.49 U4.A13
